# KiCad board CPU.kicad_pcb (continued)
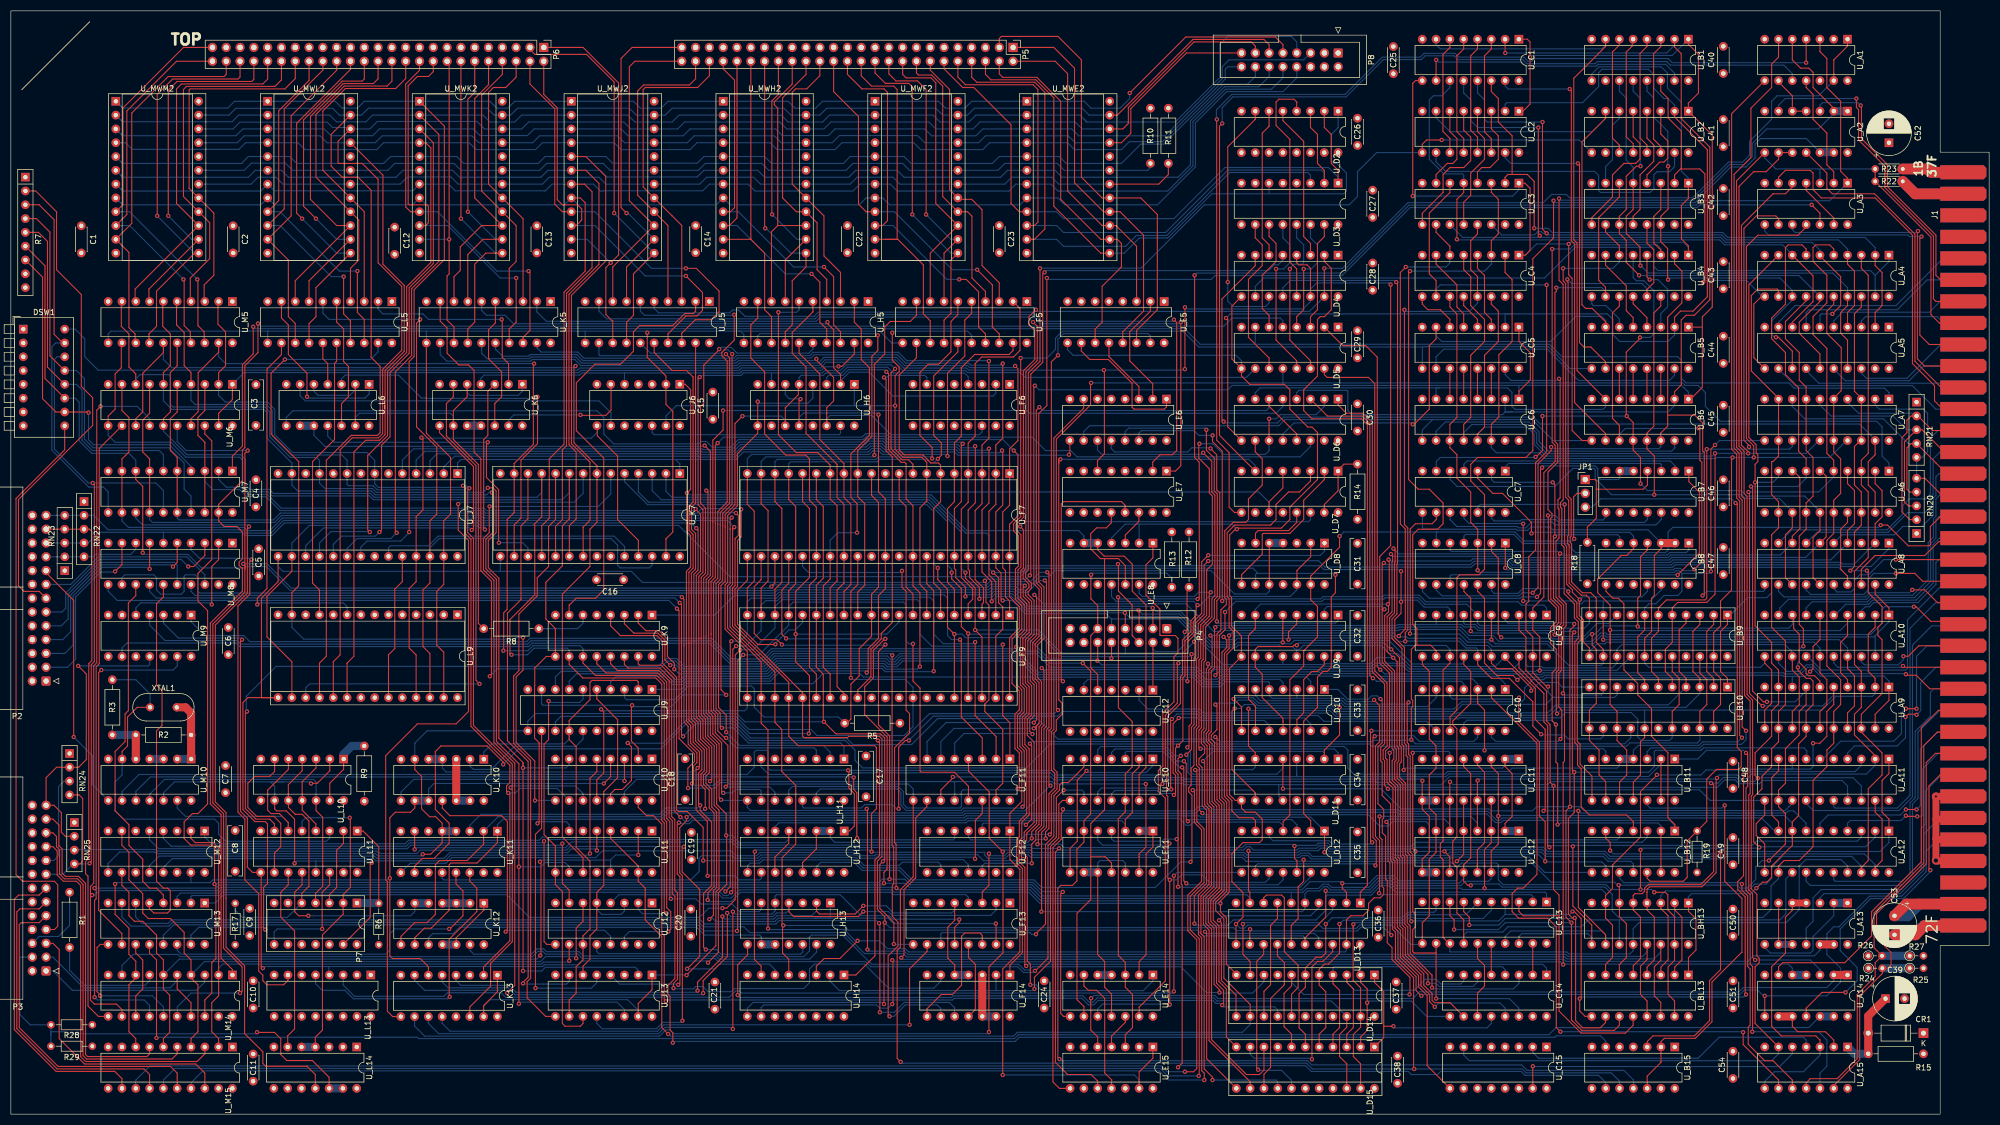
[diagram p0: board, top side]
## Footprints (pads in the part's own frame, mm; a bottom-side part is the same pattern mirrored in y, then rotated) (continued)
  rect 1.6x1.6 hole 0.8: 1(0,0)
  oval 1.6x1.6 hole 0.8: 2(0,-2.54) 3(0,-5.08) 4(0,-7.62) 5(0,-10.16) 6(0,-12.7) 7(0,-15.24) 8(0,-17.78) 9(7.62,-17.78) 10(7.62,-15.24) 11(7.62,-12.7) 12(7.62,-10.16) 13(7.62,-7.62) 14(7.62,-5.08) 15(7.62,-2.54) 16(7.62,0)

## Nets
+5V: C1.1 C2.1 C3.1 C4.1 C5.1 C6.1 C7.1 C8.1 C9.1 C10.1 C11.1 C12.1 C13.1 C14.1 C15.1 C16.1 C17.1 C18.1 C19.1 C20.1 C21.1 C22.1 C23.1 C24.1 C25.1 C26.1 C27.1 C28.1 C29.1 C30.1 C31.1 C32.1 C33.1 C34.1 C35.1 C36.1 C37.1 C38.1 C40.1 C41.1 C42.1 C43.1 C44.1 C45.1 C46.1 C47.1 C48.1 C49.1 C50.1 C51.1 C52.1 C53.1 C54.1 CR1.1 J1.2 J1.35 J1.38 J1.71 P3.16 P3.18 P3.20 P3.22 P3.24 P3.26 P4.1 P4.2 R5.1 R6.1 R7.1 R9.2 R10.1 R11.1 R12.1 R13.1 R14.2 R15.1 R17.2 R18.1 R19.1 R22.1 R24.1 R26.1 R28.1 RN20.1 RN22.1 RN24.1 U_A1.14 U_A2.14 U_A3.14 U_A4.20 U_A5.20 U_A6.20 U_A7.20 U_A8.20 U_A9.20 U_A10.20 U_A11.20 U_A12.20 U_A13.14 U_A14.14 U_A15.14 U_B1.16 U_B2.16 U_B3.16 U_B4.16 U_B5.16 U_B6.16 U_B7.14 U_B8.14 U_B9.17 U_B9.22 U_B10.17 U_B10.22 U_B11.14 U_B12.14 U_B15.1 U_B15.4 U_B15.13 U_B15.14 U_BH13.16 U_BL13.16 U_C1.16 U_C2.16 U_C3.16 U_C4.16 U_C5.16 U_C6.16 U_C7.14 U_C8.14 U_C9.20 U_C10.14 U_C11.16 U_C12.16 U_C13.20 U_C14.16 U_C15.1 U_C15.16 U_D2.15 U_D2.16 U_D3.16 U_D4.1 U_D4.16 U_D5.1 U_D5.16 U_D6.16 U_D7.16 U_D8.14 U_D9.16 U_D10.14 U_D11.16 U_D12.14 U_D13.20 U_D14.17 U_D14.22 U_D15.17 U_D15.22 U_E5.1 U_E5.16 U_E6.6 U_E6.16 U_E7.16 U_E8.14 U_E10.14 U_E11.14 U_E12.14 U_E14.14 U_E15.14 U_F5.20 U_F6.5 U_F6.15 U_F6.16 U_F7.10 U_F9.10 U_F11.16 U_F12.10 U_F12.13 U_F12.14 U_F13.1 U_F13.16 U_F14.14 U_H5.20 U_H6.13 U_H6.16 U_H11.6 U_H11.16 U_H12.16 U_H13.14 U_H14.15 U_H14.16 U_J5.20 U_J6.14 U_J7.28 U_J9.20 U_J10.1 U_J10.16 U_J11.3 U_J11.12 U_J11.14 U_J11.16 U_J12.16 U_J13.16 U_K5.20 U_K6.14 U_K7.23 U_K7.28 U_K9.16 U_K10.14 U_K11.6 U_K11.16 U_K12.14 U_K13.16 U_L5.20 U_L6.14 U_L9.1 U_L9.28 U_L10.14 U_L11.16 U_L13.1 U_L13.11 U_L13.13 U_L13.15 U_L13.16 U_L14.14 U_M5.20 U_M6.20 U_M7.20 U_M8.20 U_M9.10 U_M9.12 U_M9.14 U_M10.14 U_M12.16 U_M13.16 U_M14.20 U_M15.20 U_MWE2.24 U_MWF2.24 U_MWH2.24 U_MWJ2.24 U_MWK2.24 U_MWL2.24 U_MWM2.24
+12V: J1.39
-12V: J1.70
GND: C1.2 C2.2 C3.2 C4.2 C5.2 C6.2 C7.2 C8.2 C9.2 C10.2 C11.2 C12.2 C13.2 C14.2 C15.2 C16.2 C17.2 C18.2 C19.2 C20.2 C21.2 C22.2 C23.2 C24.2 C25.2 C26.2 C27.2 C28.2 C29.2 C30.2 C31.2 C32.2 C33.2 C34.2 C35.2 C36.2 C37.2 C38.2 C39.2 C40.2 C41.2 C42.2 C43.2 C44.2 C45.2 C46.2 C47.2 C48.2 C49.2 C50.2 C51.2 C52.2 C53.2 C54.2 DSW1.1 DSW1.2 DSW1.3 DSW1.4 DSW1.5 DSW1.6 DSW1.7 DSW1.8 J1.1 J1.36 J1.37 J1.72 P2.2 P2.4 P2.6 P2.8 P2.10 P2.12 P2.14 P2.16 P2.18 P2.20 P2.22 P2.24 P2.26 P3.8 P3.10 P3.12 P3.14 P4.13 P4.14 P4.15 P4.16 P5.5 P5.7 P5.9 P5.11 P5.13 P5.15 P5.17 P5.19 P5.21 P5.23 P5.25 P5.27 P5.29 P5.31 P5.33 P5.35 P5.37 P5.39 P5.41 P5.43 P5.45 P5.47 P6.5 P6.7 P6.9 P6.11 P6.13 P6.15 P6.17 P6.19 P6.21 P6.23 P6.25 P6.27 P6.29 P6.31 P6.33 P6.35 P6.37 P6.39 P6.41 P6.43 P6.45 P6.47 P7.6 P7.7 P7.10 P7.11 P8.1 P8.2 P8.3 P8.4 R23.2 R25.2 R27.2 R29.2 RN21.1 RN23.1 RN25.1 U_A1.2 U_A1.7 U_A1.12 U_A2.7 U_A3.7 U_A4.10 U_A5.1 U_A5.10 U_A5.19 U_A6.10 U_A7.10 U_A8.10 U_A9.10 U_A10.10 U_A11.5 U_A11.15 U_A12.5 U_A12.15 U_A13.7 U_A14.7 U_A15.7 U_B1.8 U_B1.10 U_B2.8 U_B2.10 U_B3.8 U_B3.15 U_B4.8 U_B4.15 U_B5.8 U_B6.8 U_B7.7 U_B8.7 U_B9.8 U_B9.19 U_B10.8 U_B10.19 U_B11.7 U_B12.7 U_B15.7 U_BH13.8 U_BL13.8 U_C1.8 U_C2.8 U_C3.8 U_C3.15 U_C4.8 U_C4.15 U_C5.8 U_C6.8 U_C7.7 U_C8.7 U_C9.10 U_C10.7 U_C11.8 U_C11.15 U_C12.8 U_C12.15 U_C13.10 U_C14.8 U_C14.15 U_C15.3 U_C15.4 U_C15.5 U_C15.6 U_C15.8 U_C15.10 U_D2.8 U_D2.13 U_D2.14 U_D3.4 U_D3.5 U_D3.8 U_D4.8 U_D5.8 U_D6.8 U_D6.15 U_D7.4 U_D7.8 U_D7.12 U_D8.7 U_D9.8 U_D10.7 U_D11.8 U_D11.13 U_D12.7 U_D13.10 U_D14.8 U_D14.18 U_D14.19 U_D15.8 U_D15.18 U_D15.19 U_E5.4 U_E5.6 U_E5.8 U_E6.4 U_E6.5 U_E6.8 U_E7.3 U_E7.4 U_E7.5 U_E7.8 U_E8.7 U_E8.8 U_E8.9 U_E10.7 U_E11.7 U_E12.3 U_E12.7 U_E12.9 U_E12.11 U_E12.13 U_E14.7 U_E15.2 U_E15.7 U_E15.12 U_F5.1 U_F5.10 U_F6.1 U_F6.3 U_F6.6 U_F6.8 U_F6.10 U_F6.11 U_F6.12 U_F6.13 U_F7.30 U_F9.30 U_F11.8 U_F12.2 U_F12.7 U_F13.6 U_F13.8 U_F14.7 U_H5.1 U_H5.10 U_H6.8 U_H6.10 U_H11.4 U_H11.5 U_H11.8 U_H12.4 U_H12.8 U_H12.12 U_H12.15 U_H13.7 U_H14.4 U_H14.8 U_H14.12 U_H14.14 U_J5.1 U_J5.10 U_J6.3 U_J6.7 U_J6.11 U_J7.6 U_J7.8 U_J7.10 U_J7.12 U_J7.14 U_J7.22 U_J9.10 U_J9.17 U_J9.18 U_J10.8 U_J11.1 U_J11.8 U_J12.1 U_J12.8 U_J12.15 U_J13.3 U_J13.8 U_J13.13 U_K5.1 U_K5.10 U_K6.7 U_K7.14 U_K7.22 U_K9.8 U_K10.7 U_K11.8 U_K12.7 U_K13.3 U_K13.8 U_K13.13 U_L5.1 U_L5.10 U_L6.7 U_L9.2 U_L9.3 U_L9.4 U_L9.5 U_L9.6 U_L9.7 U_L9.8 U_L9.10 U_L9.12 U_L9.14 U_L9.22 U_L10.7 U_L11.8 U_L11.15 U_L13.2 U_L13.8 U_L13.12 U_L13.14 U_L14.1 U_L14.2 U_L14.7 U_L14.9 U_L14.10 U_M5.1 U_M5.10 U_M6.10 U_M7.10 U_M8.1 U_M8.10 U_M8.19 U_M9.2 U_M9.7 U_M10.7 U_M12.8 U_M13.8 U_M14.10 U_M14.19 U_M15.1 U_M15.10 U_M15.11 U_M15.19 U_MWE2.12 U_MWE2.20 U_MWF2.12 U_MWF2.20 U_MWH2.12 U_MWH2.20 U_MWJ2.12 U_MWJ2.20 U_MWK2.12 U_MWK2.20 U_MWL2.12 U_MWL2.20 U_MWM2.12 U_MWM2.20
/Addr U/D: U_B1.1 U_B2.1 U_B5.1 U_B6.1 U_C1.1 U_C2.1 U_C5.1 U_C6.1 U_F11.7
/Addr_Clock: U_D6.2 U_D6.11 U_H12.9
/AFL.CARRY: U_F6.4 U_H6.5 U_H6.11 U_J9.9 U_J10.2
/AFL.HALFC: U_J9.12 U_J13.5
/AFL.LZERO: U_J9.15 U_K10.2
/AFL.OVER: U_J9.6 U_J11.9 U_J13.11
/AFL.SIGN: U_J9.5 U_J12.3 U_J12.5 U_J13.6
/AFL.ZERO: U_J9.2 U_J9.14 U_J12.11 U_J13.10 U_K10.1
/ALU.CARRY: U_F7.33 U_H6.3 U_J9.8
/ALU.CARRY_IN: U_F6.7 U_F9.29
/ALU.HALFC: U_F7.29 U_F9.33 U_J9.13
/ALU.OVER: U_F7.34 U_J9.7
/ALU.SHIFT_Q0: U_F9.21 U_H6.4 U_H6.9 U_J10.12
/ALU.SHIFT_RAM0_Q7: U_F7.16 U_F9.9 U_J10.13
/ALU.SHIFT_RAM7: U_F7.8 U_H6.7 U_J10.14
/ALU.SIGN: U_F7.31 U_H6.6 U_H6.12 U_J9.4
/ALU.ZERO: R5.2 U_F7.11 U_F9.11 U_J9.3
/BeginRead: U_D7.14 U_H11.14
/BeginWrite: U_C10.9 U_H11.13
/BUS_FORCE_READY: U_A14.1 U_A14.2 U_E15.5
/BUS_TIMEOUT: U_A2.9 U_A2.10 U_A15.6 U_C15.7
/BusCycleEnd: U_E7.12 U_E8.12 U_E11.11 U_E14.9
/CCR.CARRY: U_J10.4 U_K10.9 U_K10.10 U_K13.6 U_M12.15 U_M14.8 U_M15.8
/CCR.OVER: U_J11.2 U_J11.13 U_M12.10 U_M14.6 U_M15.6
/CCR.SIGN: U_J12.6 U_M12.7 U_M14.4 U_M15.4
/CCR.ZERO: U_J12.10 U_M12.2 U_M14.2 U_M15.2
/CondCycle: U_F12.9 U_K9.4
/CondDMARequest: U_F14.6 U_K9.14
/CondMemFault: U_B15.6 U_K9.13
/CondMultiINT: U_H13.6 U_K9.12
/CondRegOrPageOut: U_B12.11 U_D12.1 U_K9.15
/CondRIR_{0NOR4}: U_D10.4 U_K9.3
/CondRIR_{0}: U_C13.2 U_D10.3 U_D10.5 U_K9.2
/CPL_Disable: U_A8.1 U_E12.6
/CPL_{0}: U_A6.2 U_A8.2 U_C14.13 U_D9.2
/CPL_{1}: U_A6.4 U_A8.4 U_C14.10 U_D9.7 U_D10.9
/CPL_{2}: U_A6.6 U_A8.6 U_C14.6 U_D9.15 U_D10.12
/CPL_{3}: U_A6.8 U_A8.8 U_C14.3 U_D9.10 U_D10.11
/DataRDCycle: U_A1.5 U_A2.1 U_A2.2 U_B12.4
/DataWTClock: U_A11.19 U_A12.19 U_E15.10 U_K11.7
/DMA.Write: P2.21 RN22.4 RN23.3 U_D8.9 U_D12.2 U_M8.6
/DMA.~{AddressControl}: P2.3 U_M8.9
/DMA.~{BusReadReady}: P2.15 U_M8.18
/DMA.~{BusWriteOE}: P2.17 U_M10.8
/DMA.~{Enable}: P2.11 U_M8.3
/DMA.~{End}: P2.9 U_M8.16
/DMA.~{INTRequest}: P2.23 RN22.3 RN23.4 U_M14.11
/DMA.~{Request}: P2.25 RN22.2 RN23.5 U_F13.4
/DMA.~{StartCycle}: P2.19 RN22.5 RN23.2 U_M8.8
/DMAAddressControl: U_B15.10 U_D6.1 U_F11.9 U_M8.11
/DMAEnable: U_E11.13 U_F11.12 U_M8.17
/DMAINTRequest: U_E10.9 U_M14.9
/DMARead: U_D8.1 U_D12.13 U_E11.4 U_M8.14
/DMAStartCycle: U_D8.4 U_D8.5 U_D8.10 U_M8.12
/F13_D_{3}: U_E10.6 U_F13.11
/INT_ACK: U_A14.12 U_A14.13 U_M13.12
/INT_ENABLE: U_B12.9 U_C10.5 U_F11.4 U_K13.10
/J13_12: U_B8.8 U_B12.1 U_J13.12
/K7_OR_{0}: U_J13.7 U_K7.12
/K7_OR_{1}: U_J13.9 U_K7.10
/K7_OR_{2}: U_K7.8 U_K13.9
/K7_OR_{3}: U_K7.6 U_K13.7
/K7_S_{0}: U_K7.16 U_L6.3
/K7_S_{1}: U_K7.17 U_L6.11
/L13_~{K}: U_D12.8 U_L13.3
/M10C_a: U_D8.2 U_D8.12 U_D12.10 U_E8.11 U_E11.5 U_E14.10 U_H12.1 U_M10.9
/M10C_b: U_F12.5 U_M10.10
/MainClockPhi1: U_C10.1 U_L11.7
/MainClockPhi3: U_K12.5 U_K12.6 U_L11.12
/MemAddr_LD_SWAP: U_B1.9 U_B3.1 U_B4.1 U_B6.9 U_C1.9 U_C3.1 U_C4.1 U_C6.9 U_E6.10
/MemFault_EN: U_B11.2 U_B11.13 U_F11.11
/MWR.A6_{0}: P6.20 U_K5.18 U_MWK2.9
/MWR.A6_{1}: P6.18 U_K5.17 U_MWK2.10
/MWR.A6_{2}: P6.16 U_K5.13 U_MWK2.11
/MWR.A6_{3}: P6.14 U_K5.14 U_MWK2.13
/MWR.A6_{4}: P6.12 U_K5.7 U_MWK2.14
/MWR.A6_{5}: P6.10 U_K5.8 U_MWK2.15
/MWR.A6_{6}: P6.8 U_K5.4 U_MWK2.16
/MWR.A6_{7}: P6.6 U_K5.3 U_MWK2.17
/MWR.B5_{0}: P5.28 U_F5.18 U_MWF2.9
/MWR.B5_{1}: P5.26 U_F5.17 U_MWF2.10
/MWR.B5_{2}: P5.24 U_F5.13 U_MWF2.11
/MWR.B5_{3}: P5.22 U_F5.14 U_MWF2.13
/MWR.B5_{4}: P5.20 U_F5.7 U_MWF2.14
/MWR.B5_{5}: P5.18 U_F5.8 U_MWF2.15
/MWR.B5_{6}: P5.16 U_F5.4 U_MWF2.16
/MWR.B5_{7}: P5.14 U_F5.3 U_MWF2.17
/MWR.C4_{0}: P5.44 U_H5.18 U_MWH2.9
/MWR.C4_{1}: P5.42 U_H5.17 U_MWH2.10
/MWR.C4_{2}: P5.40 U_H5.13 U_MWH2.11
/MWR.C4_{3}: P5.38 U_H5.14 U_MWH2.13
/MWR.C4_{4}: P5.36 U_H5.7 U_MWH2.14
/MWR.C4_{5}: P5.34 U_H5.8 U_MWH2.15
/MWR.C4_{6}: P5.32 U_H5.4 U_MWH2.16
/MWR.C4_{7}: P5.30 U_H5.3 U_MWH2.17
/MWR.D3_{0}: P6.36 U_L5.18 U_MWL2.9
/MWR.D3_{1}: P6.34 U_L5.17 U_MWL2.10
/MWR.D3_{2}: P6.32 U_L5.13 U_MWL2.11
/MWR.D3_{3}: P6.30 U_L5.14 U_MWL2.13
/MWR.D3_{4}: P6.28 U_L5.7 U_MWL2.14
/MWR.D3_{5}: P6.26 U_L5.8 U_MWL2.15
/MWR.D3_{6}: P6.24 U_L5.4 U_MWL2.16
/MWR.D3_{7}: P6.22 U_L5.3 U_MWL2.17
/MWR.E2_{0}: P6.49 U_M5.18 U_MWM2.9
/MWR.E2_{1}: P6.50 U_M5.17 U_MWM2.10
/MWR.E2_{2}: P6.48 U_M5.13 U_MWM2.11
/MWR.E2_{3}: P6.46 U_M5.14 U_MWM2.13
/MWR.E2_{4}: P6.44 U_M5.7 U_MWM2.14
/MWR.E2_{5}: P6.42 U_M5.8 U_MWM2.15
/MWR.E2_{6}: P6.40 U_M5.4 U_MWM2.16
/MWR.E2_{7}: P6.38 U_M5.3 U_MWM2.17
/MWR.F1_{0}: P6.4 U_J5.18 U_MWJ2.9
/MWR.F1_{1}: P6.2 U_J5.17 U_MWJ2.10
/MWR.F1_{2}: P6.1 U_J5.13 U_MWJ2.11
/MWR.F1_{3}: P6.3 U_J5.14 U_MWJ2.13
/MWR.F1_{4}: P5.49 U_J5.7 U_MWJ2.14
/MWR.F1_{5}: P5.50 U_J5.8 U_MWJ2.15
/MWR.F1_{6}: P5.48 U_J5.4 U_MWJ2.16
/MWR.F1_{7}: P5.46 U_J5.3 U_MWJ2.17
/MWR.H0_{0}: P5.12 U_D2.2 U_D3.1 U_MWE2.9
/MWR.H0_{1}: P5.10 U_D2.3 U_D3.2 U_MWE2.10
/MWR.H0_{2}: P5.8 U_D3.3 U_MWE2.11
/MWR.H0_{3}: P5.6 U_D2.1 U_D3.6 U_MWE2.13
/MWR.H0_{4}: P5.4 U_E5.11 U_MWE2.14
/MWR.H0_{5}: P5.2 U_E5.3 U_MWE2.15
/MWR.H0_{6}: P5.1 U_E5.13 U_MWE2.16
/MWR.H0_{7}: P5.3 U_E5.14 U_MWE2.17
/Page.B_{0}: U_B9.4 U_B10.4 U_D11.10 U_M15.13
/Page.B_{1}: U_B9.3 U_B10.3 U_D11.7 U_M15.15
/Page.B_{2}: U_B9.2 U_B10.2 U_D11.2 U_M15.17
/ParitySelect: U_A13.12 U_A13.13 U_F11.10
/PROM_Disable: U_BH13.14 U_BL13.14 U_M13.7
/PTR.Q_{0}: U_A9.11 U_A10.11 U_B8.2 U_B8.3 U_B9.16 U_C7.8
/PTR.Q_{1}: U_A9.13 U_A10.13 U_B9.14 U_C7.9
/PTR.Q_{2}: U_A9.15 U_A10.15 U_B8.11 U_B9.12 U_C7.12
/PTR.Q_{3}: U_A9.17 U_A10.17 U_B8.12 U_B9.10 U_C7.11
/PTR.Q_{4}: U_A9.2 U_A10.2 U_B8.6 U_B10.16 U_B11.11 U_C7.2
/PTR.Q_{5}: U_A9.4 U_A10.4 U_B8.5 U_B10.14 U_B11.10 U_C7.3
/PTR.Q_{6}: U_A9.6 U_A10.8 U_B8.4 U_B10.12 U_B11.9 U_C8.11
/PTR.Q_{7}: U_A14.4 U_A14.5 U_B8.1 U_B10.10 U_C8.5 U_H14.10
/PTR.~{Q_{7}}: JP1.2 U_C8.6 U_D8.13 U_D12.4 U_J13.4
/REG_MMIO: U_B12.3 U_D12.12 U_K9.1
/RTC_INT: U_F14.9 U_M9.9
/RTC_INT_EN: U_F14.10 U_M13.6
/SW_1: DSW1.13 R7.4 U_M7.17
/SW_2: DSW1.14 P3.15 RN24.4 RN25.4 U_M7.15
/SW_3: DSW1.15 R7.3 U_M7.11
/SW_H: DSW1.11 R7.6 U_F14.1 U_M7.8
/SW_I: DSW1.10 R7.7 U_M7.4
/SW_O: DSW1.9 P3.7
/SW_R: DSW1.12 R7.5 U_M7.6
/Sys.5MHz: J1.31 U_A13.3
/Sys.Reset: DSW1.16 J1.32 U_A14.8 U_D4.4 U_D4.14 U_E7.6
/Sys.~{A_{0}}: J1.5 U_A5.9
/Sys.~{A_{1}}: J1.6 U_A5.7
/Sys.~{A_{2}}: J1.7 U_A5.5
/Sys.~{A_{3}}: J1.8 U_A5.3
/Sys.~{A_{4}}: J1.9 U_A5.18
/Sys.~{A_{5}}: J1.10 U_A5.16
/Sys.~{A_{6}}: J1.11 U_A5.14
/Sys.~{A_{7}}: J1.12 U_A5.12
/Sys.~{A_{8}}: J1.13 U_A8.9
/Sys.~{A_{9}}: J1.14 U_A8.7
/Sys.~{A_{10}}: J1.15 U_A8.5
/Sys.~{APRE}: J1.47 U_A2.11
/Sys.~{CA_{15}}: J1.20 U_A10.14
/Sys.~{CPL_{0}}: J1.54 U_A8.18
/Sys.~{CPL_{1}}: J1.55 U_A8.16
/Sys.~{CPL_{2}}: J1.56 U_A8.14
/Sys.~{CPL_{3}}: J1.57 U_A8.12
/Sys.~{D_{0}}: J1.21 U_A11.16
/Sys.~{D_{1}}: J1.22 U_A11.14
/Sys.~{D_{2}}: J1.23 U_A11.6
/Sys.~{D_{3}}: J1.24 U_A11.4
/Sys.~{D_{4}}: J1.25 U_A12.16
/Sys.~{D_{5}}: J1.26 U_A12.14
/Sys.~{D_{6}}: J1.27 U_A12.6
/Sys.~{D_{7}}: J1.28 U_A12.4
/Sys.~{DRDY}: J1.44 R22.2 R23.1 U_A2.8 U_A3.3 U_A14.3
/Sys.~{INR0}: J1.52 RN20.5 RN21.5 U_A7.2
/Sys.~{INR1}: J1.49 RN20.2 RN21.2 U_A7.4
/Sys.~{INR2}: J1.50 RN20.3 RN21.3 U_A7.6
/Sys.~{INR3}: J1.51 RN20.4 RN21.4 U_A7.8
/Sys.~{INTACK}: J1.65 U_A14.11
/Sys.~{INTREQ}: J1.63 R26.2 R27.1 U_A15.11
/Sys.~{MemFault}: J1.64 R24.2 R25.1 U_A15.13
/Sys.~{PA_{11}}: J1.16 U_A10.9
/Sys.~{PA_{12}}: J1.17 U_A10.7
/Sys.~{PA_{13}}: J1.18 U_A10.5
/Sys.~{PA_{14}}: J1.19 U_A10.3
/Sys.~{PA_{15}}: J1.59 U_A10.18
/Sys.~{PA_{16}}: J1.60 U_A10.16
/Sys.~{PA_{17}}: J1.61 U_A10.12
/Sys.~{ParityTest}: J1.29 U_A13.11
/Sys.~{PTR7_oc}: J1.62 U_A14.6
/Sys.~{RA_{11}}: J1.58 U_C8.2
/Sys.~{RA_{12}}: J1.46 U_A3.10
/Sys.~{RA_{13}}: J1.48 U_A3.6
/Sys.~{RA_{14}}: J1.45 U_A3.8
/Sys.~{RA_{15}}: J1.53 U_C8.4
/Sys.~{RDIN}: J1.42 U_A2.3
/Sys.~{WTIN}: J1.43 U_A2.6
/WorkAddr_TC: U_C10.12 U_D12.9
/~{AddrCount_EN}: U_D6.6 U_D6.13 U_E14.1 U_F11.6
/~{AddrHToData}: U_A9.1 U_A9.19 U_D5.2
/~{AddrHToSys}: U_A8.19 U_A10.1 U_A10.19 U_F11.5
/~{AddrLToData}: U_A4.1 U_A4.19 U_D4.10
/~{AddrMToData}: U_A6.19 U_A7.19 U_D4.7
/~{ALU_Flags_EN}: U_E7.13 U_J9.1
/~{ALU_OE}: U_F7.40 U_F9.40 U_L6.8
/~{CCR_EN}: U_E6.7 U_M12.1
/~{ClockB_{0}}: U_F5.11 U_H5.11 U_J5.11 U_J6.2 U_J7.27 U_K5.11 U_K7.27 U_L5.11 U_L9.27 U_M5.11
/~{ClockB_{1}}: U_F7.15 U_F9.15 U_F12.11 U_F13.9 U_J9.11 U_K10.6 U_K11.4 U_K11.5 U_M12.9
/~{ClockB_{2}}: U_C9.11 U_C11.7 U_C12.7 U_C13.11 U_D4.9 U_D5.9 U_D9.9 U_D11.9 U_D13.11 U_E5.9 U_E8.2 U_E8.4
/~{DataEndCycle}: U_A1.3 U_A3.1 U_E10.12 U_E14.3 U_E15.3
/~{DataRD_EN}: U_A11.11 U_A12.11 U_D5.15
/~{DataRDCycle}: U_A1.6 U_B11.3
/~{DataRDLatch}: U_A11.1 U_A12.1 U_B12.6 U_B15.3
/~{DataReady}: U_A3.12 U_H12.2 U_H12.3 U_H12.13
/~{DataWT_EN}: U_A11.9 U_A12.9 U_E15.8
/~{DataWTCycle}: U_A1.8 U_B11.4 U_B11.5 U_F12.3
/~{DMAInterrupt}: U_E10.8 U_F14.2 U_H14.2
/~{DMAReadEndStrobe}: U_B15.11 U_E11.6 U_M9.4
/~{DSWh_INT_OE}: U_A7.1 U_D5.7 U_M7.1
/~{F11_EN}: U_F11.14 U_K11.12
/~{FPC_SW_4}: U_L14.11 U_M7.13
/~{H14_OE}: U_A6.1 U_D5.12 U_H14.1
/~{L13A_SET}: U_K11.14 U_L13.5
/~{Level_LD}: U_D9.1 U_E6.12
/~{M13_EN}: U_K11.13 U_M13.14
/~{MainClockPhi1}: U_D7.5 U_D7.11 U_H12.5 U_H12.11 U_L11.9 U_L13.4 U_M9.3
/~{MainClockPhi3}: U_H13.13 U_K12.13
/~{MAPROM_SEL}: U_BH13.13 U_BL13.13 U_H11.9 U_L6.9 U_L6.10
/~{MemAddr_Count_EN}: U_D6.5 U_H11.10
/~{MWConst_OE}: U_D5.10 U_M6.1 U_M6.19
/~{NibbleSwap_EN}: U_C11.9 U_C11.10 U_C12.9 U_C12.10 U_H11.7
/~{P7_2}: U_L11.11 U_L14.6
/~{PTIndex_LD}: U_D11.1 U_E6.11
/~{PTRAM_OE}: U_B9.18 U_B10.18 U_E12.2
/~{PTRAM_WE}: U_B9.20 U_B10.20 U_K11.10
/~{Reg_OE}: U_D4.2 U_D13.1
/~{REGF.WE}: U_D14.20 U_D15.20 U_H13.8
/~{Reset_{1}}: U_D4.5 U_F11.15 U_J7.15 U_K7.15 U_L9.15 U_M13.15
/~{Reset_{2}}: U_A1.1 U_A1.13 U_D4.15 U_E15.1 U_E15.13 U_F12.1 U_M9.1
/~{ResetFlag}: P3.17 RN24.3 RN25.3 U_H14.6
/~{Result_LD}: U_C9.1 U_E6.14
/~{RIndex_LD}: U_C13.1 U_E6.13
/~{RT_INT}: U_F13.15 U_H13.1 U_M7.2
/~{RTC_INT_Reset}: U_M9.13 U_M13.10
/~{SEL_H_{L0}H_{L4}}: U_D2.4 U_D4.13
/~{SEL_H_{L1}H_{L5}}: U_D2.5 U_D4.3
/~{SEL_H_{L2}H_{L6}}: U_D2.6 U_D4.6
/~{SEL_H_{L3}H_{L7}}: U_D2.7 U_D4.11
/~{SEL_H_{L8}}: U_D3.15 U_D5.3
/~{SEL_H_{L9}}: U_D3.14 U_D5.4
/~{SEL_H_{L10}}: U_D3.13 U_D5.14
/~{SEL_H_{L11}}: U_D3.12 U_D5.13
/~{SEL_H_{L12}}: U_D3.11 U_D5.6
/~{SEL_H_{L13}}: U_D3.10 U_D5.11
/~{SenseSW_OE}: U_D5.5 U_M7.19 U_M14.1
/~{Swap_OE}: U_C11.1 U_C11.2 U_C12.1 U_C12.2 U_D4.12
/~{WorkAddr_Count_EN}: U_D6.14 U_H11.11
/~{WorkAddr_LD_HI}: U_B5.9 U_C5.9 U_H11.12
/~{WorkAddr_LD_LO}: U_B2.9 U_C2.9 U_K11.9
Address.A_{0}: U_A4.11 U_A5.11 U_B1.14 U_B3.2
Address.A_{1}: U_A4.13 U_A5.13 U_B1.13 U_B3.14
Address.A_{2}: U_A4.15 U_A5.15 U_B1.12 U_B3.11
Address.A_{3}: U_A4.17 U_A5.17 U_B1.11 U_B3.5
Address.A_{4}: U_A4.2 U_A5.2 U_C1.14 U_C3.2
Address.A_{5}: U_A4.4 U_A5.4 U_C1.13 U_C3.14
Address.A_{6}: U_A4.6 U_A5.6 U_C1.12 U_C3.11
Address.A_{7}: U_A4.8 U_A5.8 U_C1.11 U_C3.5
Address.A_{8}: U_A8.11 U_B4.2 U_B6.14 U_C8.9
Address.A_{9}: U_A6.13 U_A8.13 U_B4.14 U_B6.13 U_C7.5
Address.A_{10}: U_A6.15 U_A8.15 U_B4.5 U_B6.12 U_C7.6
Address.A_{11}: U_A6.17 U_A8.17 U_B4.11 U_B6.11 U_B9.1 U_B10.1 U_C8.1
Address.A_{12}: U_A3.11 U_A7.17 U_B9.21 U_B10.21 U_C4.2 U_C6.14
Address.A_{13}: U_A3.5 U_A7.15 U_B9.5 U_B10.5 U_C4.14 U_C6.13
Address.A_{14}: U_A3.9 U_A7.13 U_B9.6 U_B10.6 U_C4.5 U_C6.12
Address.A_{15}: U_A7.11 U_B9.7 U_B10.7 U_C4.11 U_C6.11 U_C8.3
DataF.D_{0}: P4.12 U_A11.17 U_BL13.12 U_C9.3 U_C13.3 U_D11.12 U_F9.36 U_K7.5
DataF.D_{1}: P4.10 U_A11.13 U_BL13.11 U_C9.4 U_C13.8 U_D11.5 U_F9.37 U_K7.4
DataF.D_{2}: P4.8 U_A11.7 U_BL13.10 U_C9.7 U_C13.7 U_D11.4 U_F9.38 U_K7.3
DataF.D_{3}: P4.6 U_A11.3 U_BL13.9 U_C9.8 U_C13.4 U_F9.39 U_K7.2
DataF.D_{4}: P4.3 U_A12.17 U_BH13.12 U_C9.13 U_C13.13 U_D9.4 U_F7.36 U_J7.5
DataF.D_{5}: P4.5 U_A12.13 U_BH13.11 U_C9.14 U_C13.14 U_D9.5 U_F7.37 U_J7.4
DataF.D_{6}: P4.7 U_A12.7 U_BH13.10 U_C9.17 U_C13.17 U_D9.13 U_F7.38 U_J7.3
DataF.D_{7}: P4.9 U_A12.3 U_BH13.9 U_C9.18 U_C13.18 U_D9.12 U_F7.39 U_J7.2
DataP.D_{0}: U_A4.9 U_A6.9 U_A9.9 U_A11.18 U_BH13.5 U_BL13.5 U_C11.11 U_C12.6 U_D13.12 U_F9.25 U_H14.9 U_M6.3 U_M7.3 U_M7.18
DataP.D_{1}: U_A4.7 U_A6.7 U_A9.7 U_A11.12 U_BH13.6 U_BL13.6 U_C11.12 U_C12.5 U_D13.15 U_F9.24 U_H14.7 U_M6.5 U_M7.5 U_M7.16
DataP.D_{2}: U_A4.5 U_A6.5 U_A9.5 U_A11.8 U_BH13.7 U_BL13.7 U_C11.14 U_C12.3 U_D13.16 U_F9.23 U_H14.5 U_M6.9 U_M7.9 U_M7.12
DataP.D_{3}: U_A4.3 U_A6.3 U_A9.3 U_A11.2 U_BH13.4 U_BL13.4 U_C11.13 U_C12.4 U_D13.19 U_F9.22 U_H14.3 U_M6.7 U_M7.7 U_M7.14
DataP.D_{4}: U_A4.18 U_A6.18 U_A7.3 U_A7.18 U_A9.18 U_A12.18 U_BH13.3 U_BL13.3 U_C11.6 U_C12.11 U_D13.9 U_F7.25 U_M6.14 U_M14.12
DataP.D_{5}: U_A4.16 U_A6.16 U_A7.5 U_A7.16 U_A9.16 U_A12.12 U_BH13.2 U_BL13.2 U_C11.5 U_C12.12 U_D13.6 U_F7.24 U_M6.12 U_M14.14
DataP.D_{6}: U_A4.14 U_A6.14 U_A7.7 U_A7.14 U_A9.14 U_A12.8 U_BH13.1 U_BL13.1 U_C11.3 U_C12.14 U_D13.5 U_F7.23 U_M6.16 U_M14.16
DataP.D_{7}: U_A4.12 U_A6.12 U_A7.9 U_A7.12 U_A9.12 U_A12.2 U_BH13.15 U_BL13.15 U_C11.4 U_C12.13 U_D13.2 U_F7.22 U_M6.18 U_M14.18
FP.RTI: P3.25 RN24.2 RN25.2 U_M9.11
FP.~{ABT}: R1.2 U_M14.7
FP.~{HALT}: P3.1 U_M14.3
FP.~{RUN}: P3.3 U_M14.5 U_M14.17
MW.A6_{0}: U_F7.3 U_F9.3 U_K5.19
MW.A6_{1}: U_F7.2 U_F9.2 U_K5.16
MW.A6_{2}: U_F7.1 U_F9.1 U_K5.12
MW.A6_{3}: U_F6.14 U_H6.14 U_K5.15
MW.A6_{4}: U_F6.2 U_H6.2 U_K5.6
MW.A6_{5}: U_D10.2 U_K5.9
MW.A6_{6}: U_K5.5 U_K6.12
MW.A6_{7}: U_C14.1 U_K5.2
MW.B5_{0}: U_F5.19 U_F7.5 U_F9.5
MW.B5_{1}: U_F5.16 U_F7.7 U_F9.7 U_H6.1 U_J6.13
MW.B5_{2}: U_F5.12 U_F7.6 U_F9.6
MW.B5_{3}: U_F5.15 U_F7.17 U_F9.17 U_F11.13 U_M13.13
MW.B5_{4}: U_F5.6 U_F7.18 U_F9.18 U_F11.1 U_M13.1
MW.B5_{5}: U_F5.9 U_F7.19 U_F9.19 U_F11.2 U_M13.2
MW.B5_{6}: U_F5.5 U_F7.20 U_F9.20 U_F11.3 U_M13.3
MW.B5_{7}: U_F5.2 U_F7.4 U_F9.4
MW.C4_{0}: U_H5.19 U_J6.5 U_K6.4
MW.C4_{1}: U_H5.16 U_J13.1 U_J13.15 U_K13.1 U_K13.15
MW.C4_{2}: U_F7.12 U_F9.12 U_H5.12
MW.C4_{3}: U_F7.13 U_F9.13 U_H5.15
MW.C4_{4}: U_F7.14 U_F9.14 U_H5.6
MW.C4_{5}: U_F7.26 U_F9.26 U_H5.9
MW.C4_{6}: U_F7.28 U_F9.28 U_H5.5
MW.C4_{7}: U_F7.27 U_F9.27 U_H5.2
MW.D3_{0}: U_J10.9 U_L5.19 U_L9.13
MW.D3_{1}: U_L5.16 U_L9.11
MW.D3_{2}: U_L5.12 U_L9.9
MW.D3_{3}: U_L5.15 U_L6.4
MW.D3_{4}: U_J7.26 U_K7.26 U_L5.6 U_L9.26
MW.D3_{5}: U_L5.9 U_L6.1
MW.D3_{6}: U_L5.5 U_L6.12
MW.D3_{7}: U_K6.2 U_L5.2
MW.E2_{0}: U_J12.14 U_K7.13 U_K9.11 U_M5.19 U_M6.17
MW.E2_{1}: U_J12.2 U_K7.11 U_K9.10 U_M5.16 U_M6.15
MW.E2_{2}: U_J11.7 U_K7.9 U_K9.9 U_M5.12 U_M6.11
MW.E2_{3}: U_J11.11 U_K7.7 U_M5.15 U_M6.13
MW.E2_{4}: U_J7.13 U_J11.10 U_J13.14 U_M5.6 U_M6.6
MW.E2_{5}: U_J7.11 U_J10.7 U_J13.2 U_M5.9 U_M6.8
MW.E2_{6}: U_J7.9 U_J10.11 U_K13.14 U_M5.5 U_M6.4
MW.E2_{7}: U_J7.7 U_J10.10 U_K13.2 U_M5.2 U_M6.2
MW.F1_{0}: U_J5.19 U_K11.2 U_K12.8
MW.F1_{1}: U_H13.12 U_J5.16 U_K11.3
MW.F1_{2}: U_H11.1 U_J5.12
MW.F1_{3}: U_H11.2 U_J5.15
MW.F1_{4}: U_H11.3 U_J5.6
MW.F1_{5}: U_E7.1 U_J5.9
MW.F1_{6}: U_E7.2 U_J5.5
MW.F1_{7}: U_J5.2 U_K9.7
MW.H0_{4}: U_E5.10 U_E6.1
MW.H0_{5}: U_E5.2 U_E6.2
MW.H0_{6}: U_E5.12 U_E6.3
MW.H0_{7}: U_E5.15 U_K11.1 U_K12.9
MWS.A_{0}: P8.8 U_K7.18 U_MWE2.8 U_MWF2.8 U_MWH2.8 U_MWJ2.8 U_MWK2.8 U_MWL2.8 U_MWM2.8
MWS.A_{1}: P8.10 U_K7.19 U_MWE2.7 U_MWF2.7 U_MWH2.7 U_MWJ2.7 U_MWK2.7 U_MWL2.7 U_MWM2.7
MWS.A_{2}: P8.12 U_K7.20 U_MWE2.6 U_MWF2.6 U_MWH2.6 U_MWJ2.6 U_MWK2.6 U_MWL2.6 U_MWM2.6
MWS.A_{3}: P8.14 U_K7.21 U_MWE2.5 U_MWF2.5 U_MWH2.5 U_MWJ2.5 U_MWK2.5 U_MWL2.5 U_MWM2.5
MWS.A_{4}: P8.16 U_J7.18 U_MWE2.4 U_MWF2.4 U_MWH2.4 U_MWJ2.4 U_MWK2.4 U_MWL2.4 U_MWM2.4
MWS.A_{5}: P8.5 U_J7.19 U_MWE2.3 U_MWF2.3 U_MWH2.3 U_MWJ2.3 U_MWK2.3 U_MWL2.3 U_MWM2.3
MWS.A_{6}: P8.7 U_J7.20 U_MWE2.2 U_MWF2.2 U_MWH2.2 U_MWJ2.2 U_MWK2.2 U_MWL2.2 U_MWM2.2
MWS.A_{7}: P8.9 U_J7.21 U_MWE2.1 U_MWF2.1 U_MWH2.1 U_MWJ2.1 U_MWK2.1 U_MWL2.1 U_MWM2.1
MWS.A_{8}: P8.11 U_L9.18 U_MWE2.23 U_MWF2.23 U_MWH2.23 U_MWJ2.23 U_MWK2.23 U_MWL2.23 U_MWM2.23
MWS.A_{9}: P8.13 U_L9.19 U_MWE2.22 U_MWF2.22 U_MWH2.22 U_MWJ2.22 U_MWK2.22 U_MWL2.22 U_MWM2.22
MWS.A_{10}: P8.15 U_L9.20 U_MWE2.21 U_MWF2.21 U_MWH2.21 U_MWJ2.21 U_MWK2.21 U_MWL2.21 U_MWM2.21
P7_1: P7.1 R6.2 U_L11.1
P7_2: P7.2 U_L11.5 U_L14.4 U_L14.5
P7_3: P7.3 U_L11.2
P7_4: P7.4 U_L10.12 U_M10.11
P7_5: P7.5 R17.1 U_L10.4 U_L10.10
P7_8: P7.8 U_L11.14
P7_13: P7.13 U_L10.2 U_L10.9 U_L11.13 U_M10.12
Res.D_{0}: U_B3.3 U_B4.3 U_B9.15 U_C9.2 U_D15.15
Res.D_{1}: U_B3.13 U_B4.13 U_B9.13 U_C9.5 U_D15.13
Res.D_{2}: U_B3.10 U_B4.6 U_B9.11 U_C9.6 U_D15.11
Res.D_{3}: U_B3.6 U_B4.10 U_B9.9 U_C9.9 U_D15.9
Res.D_{4}: U_B10.15 U_C3.3 U_C4.3 U_C9.12 U_D14.15 U_J10.15
Res.D_{5}: U_B10.13 U_C3.13 U_C4.13 U_C9.15 U_D14.13 U_J11.4 U_J11.15
Res.D_{6}: U_B10.11 U_C3.10 U_C4.6 U_C9.16 U_D14.11 U_J12.4
Res.D_{7}: U_B10.9 U_C3.6 U_C4.10 U_C9.19 U_D14.9 U_J12.12
SEQ.S1_{1}: U_J7.17 U_K6.8
SEQ.S2_{1}: U_K6.6 U_L9.17
SEQ.SH_{0}: U_J7.16 U_K6.3 U_L9.16
SEQ.~{FE}: U_J6.8 U_J7.25 U_K7.25 U_L9.25
SEQ.~{RE}: U_E6.9 U_J7.1 U_K7.1
VERIFY_CR1: C39.1 CR1.2 R15.2 U_A15.1
Net-(J1-Pad30): J1.30 J1.33 J1.66 J1.67 J1.68 J1.69
Net-(JP1-Pad1): JP1.1 R18.2 U_B7.4
Net-(JP1-Pad3): JP1.3 R19.2 U_B12.12
Net-(P2-Pad5): P2.5 U_M8.7
Net-(P2-Pad7): P2.7 U_M8.5
Net-(P2-Pad13): P2.13 R7.2
Net-(P3-Pad4): P3.4 R28.2 R29.1 U_L14.12 U_L14.13
Net-(P3-Pad5): P3.5 U_M15.18
Net-(P3-Pad6): P3.6 R1.1
Net-(P3-Pad9): P3.9 U_M15.16
Net-(P3-Pad11): P3.11 U_M15.14
Net-(P3-Pad13): P3.13 U_M15.12
Net-(P3-Pad19): P3.19 U_M15.3
Net-(P3-Pad21): P3.21 U_M15.5
Net-(P3-Pad23): P3.23 U_M15.7
Net-(P4-Pad4): P4.4 R12.2 U_E12.1
Net-(R2-Pad1): R2.1 R3.2 U_M10.5
Net-(R2-Pad2): R2.2 U_M10.1 U_M10.2 XTAL1.2
Net-(R3-Pad1): R3.1 U_L11.3 U_M10.6 XTAL1.1
Net-(R8-Pad1): R8.1 U_K9.6
Net-(R8-Pad2): R8.2 U_K6.1 U_K6.5 U_K6.9 U_L6.2 U_L6.5 U_L6.13
Net-(R9-Pad1): R9.1 U_L10.1 U_L10.13
Net-(R10-Pad2): R10.2 U_MWE2.19 U_MWF2.19 U_MWH2.19 U_MWJ2.19 U_MWK2.19 U_MWL2.19 U_MWM2.19
Net-(R11-Pad2): R11.2 U_MWE2.18 U_MWF2.18 U_MWH2.18 U_MWJ2.18 U_MWK2.18 U_MWL2.18 U_MWM2.18
Net-(R13-Pad2): P4.11 R13.2 U_E12.5
Net-(R14-Pad1): R14.1 U_D7.1 U_D7.15
Net-(U_A1-Pad4): U_A1.4 U_D7.9
Net-(U_A1-Pad9): U_A1.9 U_A2.4 U_A2.5
Net-(U_A1-Pad10): U_A1.10 U_D7.7 U_F12.4
Net-(U_A1-Pad11): U_A1.11 U_A3.2
Net-(U_A2-Pad12): U_A2.12 U_A2.13 U_C10.10
Net-(U_A3-Pad13): U_A3.4 U_A3.13
Net-(U_A10-Pad6): U_A9.8 U_A10.6 U_C8.12
Net-(U_A13-Pad1): U_A13.1 U_A13.2 U_A13.8
Net-(U_A13-Pad4): U_A13.4 U_A13.5 U_A15.3 U_A15.8
Net-(U_A13-Pad10): U_A13.6 U_A13.9 U_A13.10
Net-(U_A14-Pad10): U_A14.9 U_A14.10 U_A15.2
Net-(U_A15-Pad4): U_A15.4 U_C15.2
Net-(U_A15-Pad5): U_A15.5 U_C15.15
Net-(U_A15-Pad9): U_A15.9 U_C10.2
Net-(U_A15-Pad10): U_A15.10 U_B12.10
Net-(U_A15-Pad12): U_A15.12 U_B11.1
Net-(U_B1-Pad2): U_B1.2 U_B6.2 U_C1.2 U_C6.2 U_D6.4
Net-(U_B1-Pad3): U_B1.3 U_B2.14
Net-(U_B1-Pad4): U_B1.4 U_B2.13
Net-(U_B1-Pad5): U_B1.5 U_B2.12
Net-(U_B1-Pad6): U_B1.6 U_B2.11
Net-(U_B1-Pad7): U_B1.7 U_B6.7 U_C1.7 U_C6.7 U_D6.7
Net-(U_B1-Pad15): U_B1.15 U_C1.10
Net-(U_B2-Pad2): U_B2.2 U_B5.2 U_C2.2 U_C5.2 U_D6.9
Net-(U_B2-Pad3): U_B2.3 U_B3.4
Net-(U_B2-Pad4): U_B2.4 U_B3.12
Net-(U_B2-Pad5): U_B2.5 U_B3.9
Net-(U_B2-Pad6): U_B2.6 U_B3.7
Net-(U_B2-Pad7): U_B2.7 U_B5.7 U_C2.7 U_C5.7 U_D6.12
Net-(U_B2-Pad15): U_B2.15 U_C2.10
Net-(U_B4-Pad4): U_B4.4 U_B5.3
Net-(U_B4-Pad7): U_B4.7 U_B5.5
Net-(U_B4-Pad9): U_B4.9 U_B5.6
Net-(U_B4-Pad12): U_B4.12 U_B5.4
Net-(U_B5-Pad10): U_B5.10 U_C2.15
Net-(U_B5-Pad11): U_B5.11 U_B6.6
Net-(U_B5-Pad12): U_B5.12 U_B6.5
Net-(U_B5-Pad13): U_B5.13 U_B6.4
Net-(U_B5-Pad14): U_B5.14 U_B6.3
Net-(U_B5-Pad15): U_B5.15 U_C5.10
Net-(U_B6-Pad10): U_B6.10 U_C1.15
Net-(U_B6-Pad15): U_B6.15 U_C6.10
Net-(U_B7-Pad1): U_B7.1 U_C8.10
Net-(U_B7-Pad2): U_B7.2 U_C7.4
Net-(U_B7-Pad3): U_B7.3 U_C7.1
Net-(U_B7-Pad5): U_B7.5 U_B7.6 U_C8.8
Net-(U_B7-Pad11): U_B7.11 U_C7.13
Net-(U_B7-Pad12): U_B7.12 U_C7.10
Net-(U_B11-Pad6): U_B11.6 U_C10.3 U_C15.9 U_D6.10
Net-(U_B11-Pad8): U_B11.8 U_C8.13
Net-(U_B11-Pad12): U_B11.12 U_B15.2 U_B15.12
Net-(U_B12-Pad5): U_B12.5 U_E8.13
Net-(U_B12-Pad8): U_B12.8 U_F13.3
Net-(U_B12-Pad13): U_B7.8 U_B12.2 U_B12.13 U_C10.11
Net-(U_B15-Pad9): U_B15.9 U_E10.5
Net-(U_C1-Pad3): U_C1.3 U_C2.14
Net-(U_C1-Pad4): U_C1.4 U_C2.13
Net-(U_C1-Pad5): U_C1.5 U_C2.12
Net-(U_C1-Pad6): U_C1.6 U_C2.11
Net-(U_C2-Pad3): U_C2.3 U_C3.4
Net-(U_C2-Pad4): U_C2.4 U_C3.12
Net-(U_C2-Pad5): U_C2.5 U_C3.9
Net-(U_C2-Pad6): U_C2.6 U_C3.7
Net-(U_C4-Pad4): U_C4.4 U_C5.3
Net-(U_C4-Pad7): U_C4.7 U_C5.5
Net-(U_C4-Pad9): U_C4.9 U_C5.6
Net-(U_C4-Pad12): U_C4.12 U_C5.4
Net-(U_C5-Pad11): U_C5.11 U_C6.6
Net-(U_C5-Pad12): U_C5.12 U_C6.5
Net-(U_C5-Pad13): U_C5.13 U_C6.4
Net-(U_C5-Pad14): U_C5.14 U_C6.3
Net-(U_C10-Pad4): U_C10.4 U_D6.3 U_F12.12
Net-(U_C10-Pad6): U_C10.6 U_D10.8
Net-(U_C10-Pad8): U_C10.8 U_D12.5
Net-(U_C10-Pad13): U_C5.15 U_C10.13
Net-(U_C13-Pad5): U_C13.5 U_D14.21 U_D15.21
Net-(U_C13-Pad6): U_C13.6 U_D14.5 U_D15.5
Net-(U_C13-Pad9): U_C13.9 U_D14.6 U_D15.6
Net-(U_C13-Pad12): U_C13.12 U_C14.14 U_D10.6
Net-(U_C13-Pad15): U_C13.15 U_C14.11
Net-(U_C13-Pad16): U_C13.16 U_C14.5
Net-(U_C13-Pad19): U_C13.19 U_C14.2
Net-(U_C14-Pad4): U_C14.4 U_D14.4 U_D15.4
Net-(U_C14-Pad7): U_C14.7 U_D14.3 U_D15.3
Net-(U_C14-Pad9): U_C14.9 U_D14.2 U_D15.2
Net-(U_C14-Pad12): U_C14.12 U_D14.1 U_D15.1
Net-(U_D7-Pad2): U_D7.2 U_D8.8
Net-(U_D7-Pad13): U_D7.13 U_D8.6
Net-(U_D10-Pad1): U_D10.1 U_D14.7 U_D15.7
Net-(U_D10-Pad10): U_D10.10 U_E10.11
Net-(U_D10-Pad13): U_D10.13 U_E10.10
Net-(U_D12-Pad3): U_D12.3 U_E10.4
Net-(U_D12-Pad6): U_D7.3 U_D12.6
Net-(U_D12-Pad11): U_D12.11 U_E10.3
Net-(U_D13-Pad3): U_D13.3 U_D14.10
Net-(U_D13-Pad4): U_D13.4 U_D14.12
Net-(U_D13-Pad7): U_D13.7 U_D14.14
Net-(U_D13-Pad8): U_D13.8 U_D14.16
Net-(U_D13-Pad13): U_D13.13 U_D15.16
Net-(U_D13-Pad14): U_D13.14 U_D15.14
Net-(U_D13-Pad17): U_D13.17 U_D15.12
Net-(U_D13-Pad18): U_D13.18 U_D15.10
Net-(U_E7-Pad14): U_E7.14 U_E8.3
Net-(U_E10-Pad1): U_E10.1 U_E11.8
Net-(U_E10-Pad2): U_E10.2 U_E11.3 U_H12.6
Net-(U_E10-Pad13): U_E8.5 U_E8.6 U_E10.13 U_H12.10 U_J6.1 U_K10.4 U_K10.5
Net-(U_E11-Pad1): U_E11.1 U_E11.2 U_E14.2
Net-(U_E11-Pad10): U_E11.9 U_E11.10 U_E11.12 U_E14.11
Net-(U_E14-Pad4): U_E14.4 U_E14.5
Net-(U_E14-Pad6): U_E14.6 U_E15.11
Net-(U_E14-Pad8): U_E14.8 U_H12.14
Net-(U_E14-Pad12): U_E14.12 U_E15.4
Net-(U_E14-Pad13): U_E8.1 U_E14.13
Net-(U_F7-Pad9): U_F7.9 U_F9.8
Net-(U_F7-Pad21): U_F7.21 U_F9.16
Net-(U_F13-Pad2): U_F13.2 U_H13.4 U_K13.5
Net-(U_F13-Pad5): U_F13.5 U_F14.4 U_F14.5 U_H13.2 U_K13.4
Net-(U_F13-Pad10): U_F13.10 U_K13.12
Net-(U_F13-Pad12): U_F13.12 U_H13.5 U_K13.11
Net-(U_F13-Pad13): U_F13.13 U_F14.11
Net-(U_F13-Pad14): U_F13.14 U_F14.8
Net-(U_F14-Pad12): U_F14.3 U_F14.12 U_F14.13
Net-(U_H6-Pad15): U_H6.15 U_J6.12
Net-(U_H13-Pad10): U_H13.9 U_H13.10 U_K12.10
Net-(U_J6-Pad6): U_J6.6 U_K6.13
Net-(U_J6-Pad9): U_J6.9 U_L6.6
Net-(U_J7-Pad23): U_J7.23 U_K7.24
Net-(U_J7-Pad24): U_J7.24 U_L9.23
Net-(U_J10-Pad3): U_J10.3 U_K10.8
Net-(U_J10-Pad5): U_J10.5 U_M12.13
Net-(U_J11-Pad5): U_J11.5 U_M12.12
Net-(U_J12-Pad7): U_J12.7 U_M12.5
Net-(U_J12-Pad9): U_J12.9 U_M12.4
Net-(U_J12-Pad13): U_J12.13 U_K10.11
Net-(U_K6-Pad10): U_K6.10 U_K6.11
Net-(U_K10-Pad12): U_K10.3 U_K10.12 U_K10.13
Net-(U_K12-Pad1): U_K12.1 U_K12.11 U_K12.12
Net-(U_K12-Pad2): U_K12.2 U_K12.3 U_K12.4
Net-(U_L10-Pad5): U_L10.5 U_L11.6 U_M10.13
Net-(U_L10-Pad6): U_L10.6 U_L11.10
Net-(U_L10-Pad11): U_L10.3 U_L10.11 U_L11.4
Net-(U_L13-Pad7): U_L13.7 U_M8.4
Net-(U_M8-Pad2): U_M8.2 U_M9.5
Net-(U_M10-Pad3): U_M10.3 U_M10.4
Net-(U_M13-Pad4): U_M8.13 U_M13.4
Net-(U_M13-Pad5): U_M8.15 U_M13.5
Net-(U_M13-Pad9): U_M13.9 U_M14.15
Net-(U_M13-Pad11): U_M13.11 U_M14.13

Pads without a net: J1 3 4 34 40 41; P2 1; P3 2; P7 9 12 14; P8 6; R7 8 9; U_A6 11; U_A8 3; U_A11 10; U_A12 10; U_B7 9 10 13; U_B8 9 10 13; U_B15 5 8; U_C6 15; U_C15 11 12 13 14; U_D2 9 10 11 12; U_D3 7 9; U_D7 6 10; U_D8 3 11; U_D9 3 6 11 14; U_D11 3 6 11 14 15; U_E5 5 7; U_E6 15; U_E7 7 9 10 11 15; U_E8 10; U_E12 4 8 10 12; U_E15 6 9; U_F6 9; U_F7 32 35; U_F9 31 32 34 35; U_F12 6 8; U_F13 7; U_H11 15; U_H12 7; U_H13 3 11; U_H14 11 13; U_J6 4 10; U_J9 16 19; U_J10 6; U_J11 6; U_K9 5; U_K11 11 15; U_L9 21 24; U_L10 8; U_L13 6 9 10; U_L14 3 8; U_M9 6 8; U_M12 3 6 11 14; U_M15 9

## Via types
v1: diameter 0.8, hole 0.4, Top to Bottom, 681 vias
v2: diameter 1.5, hole 0.8, Top to Bottom, 1 via
v3: diameter 1.5, hole 0.4, Top to Bottom, 1 via
